# Altium PCB LimeSDR_Mini_1v0_Rounded.PcbDoc (part 3 of 5) (continued)
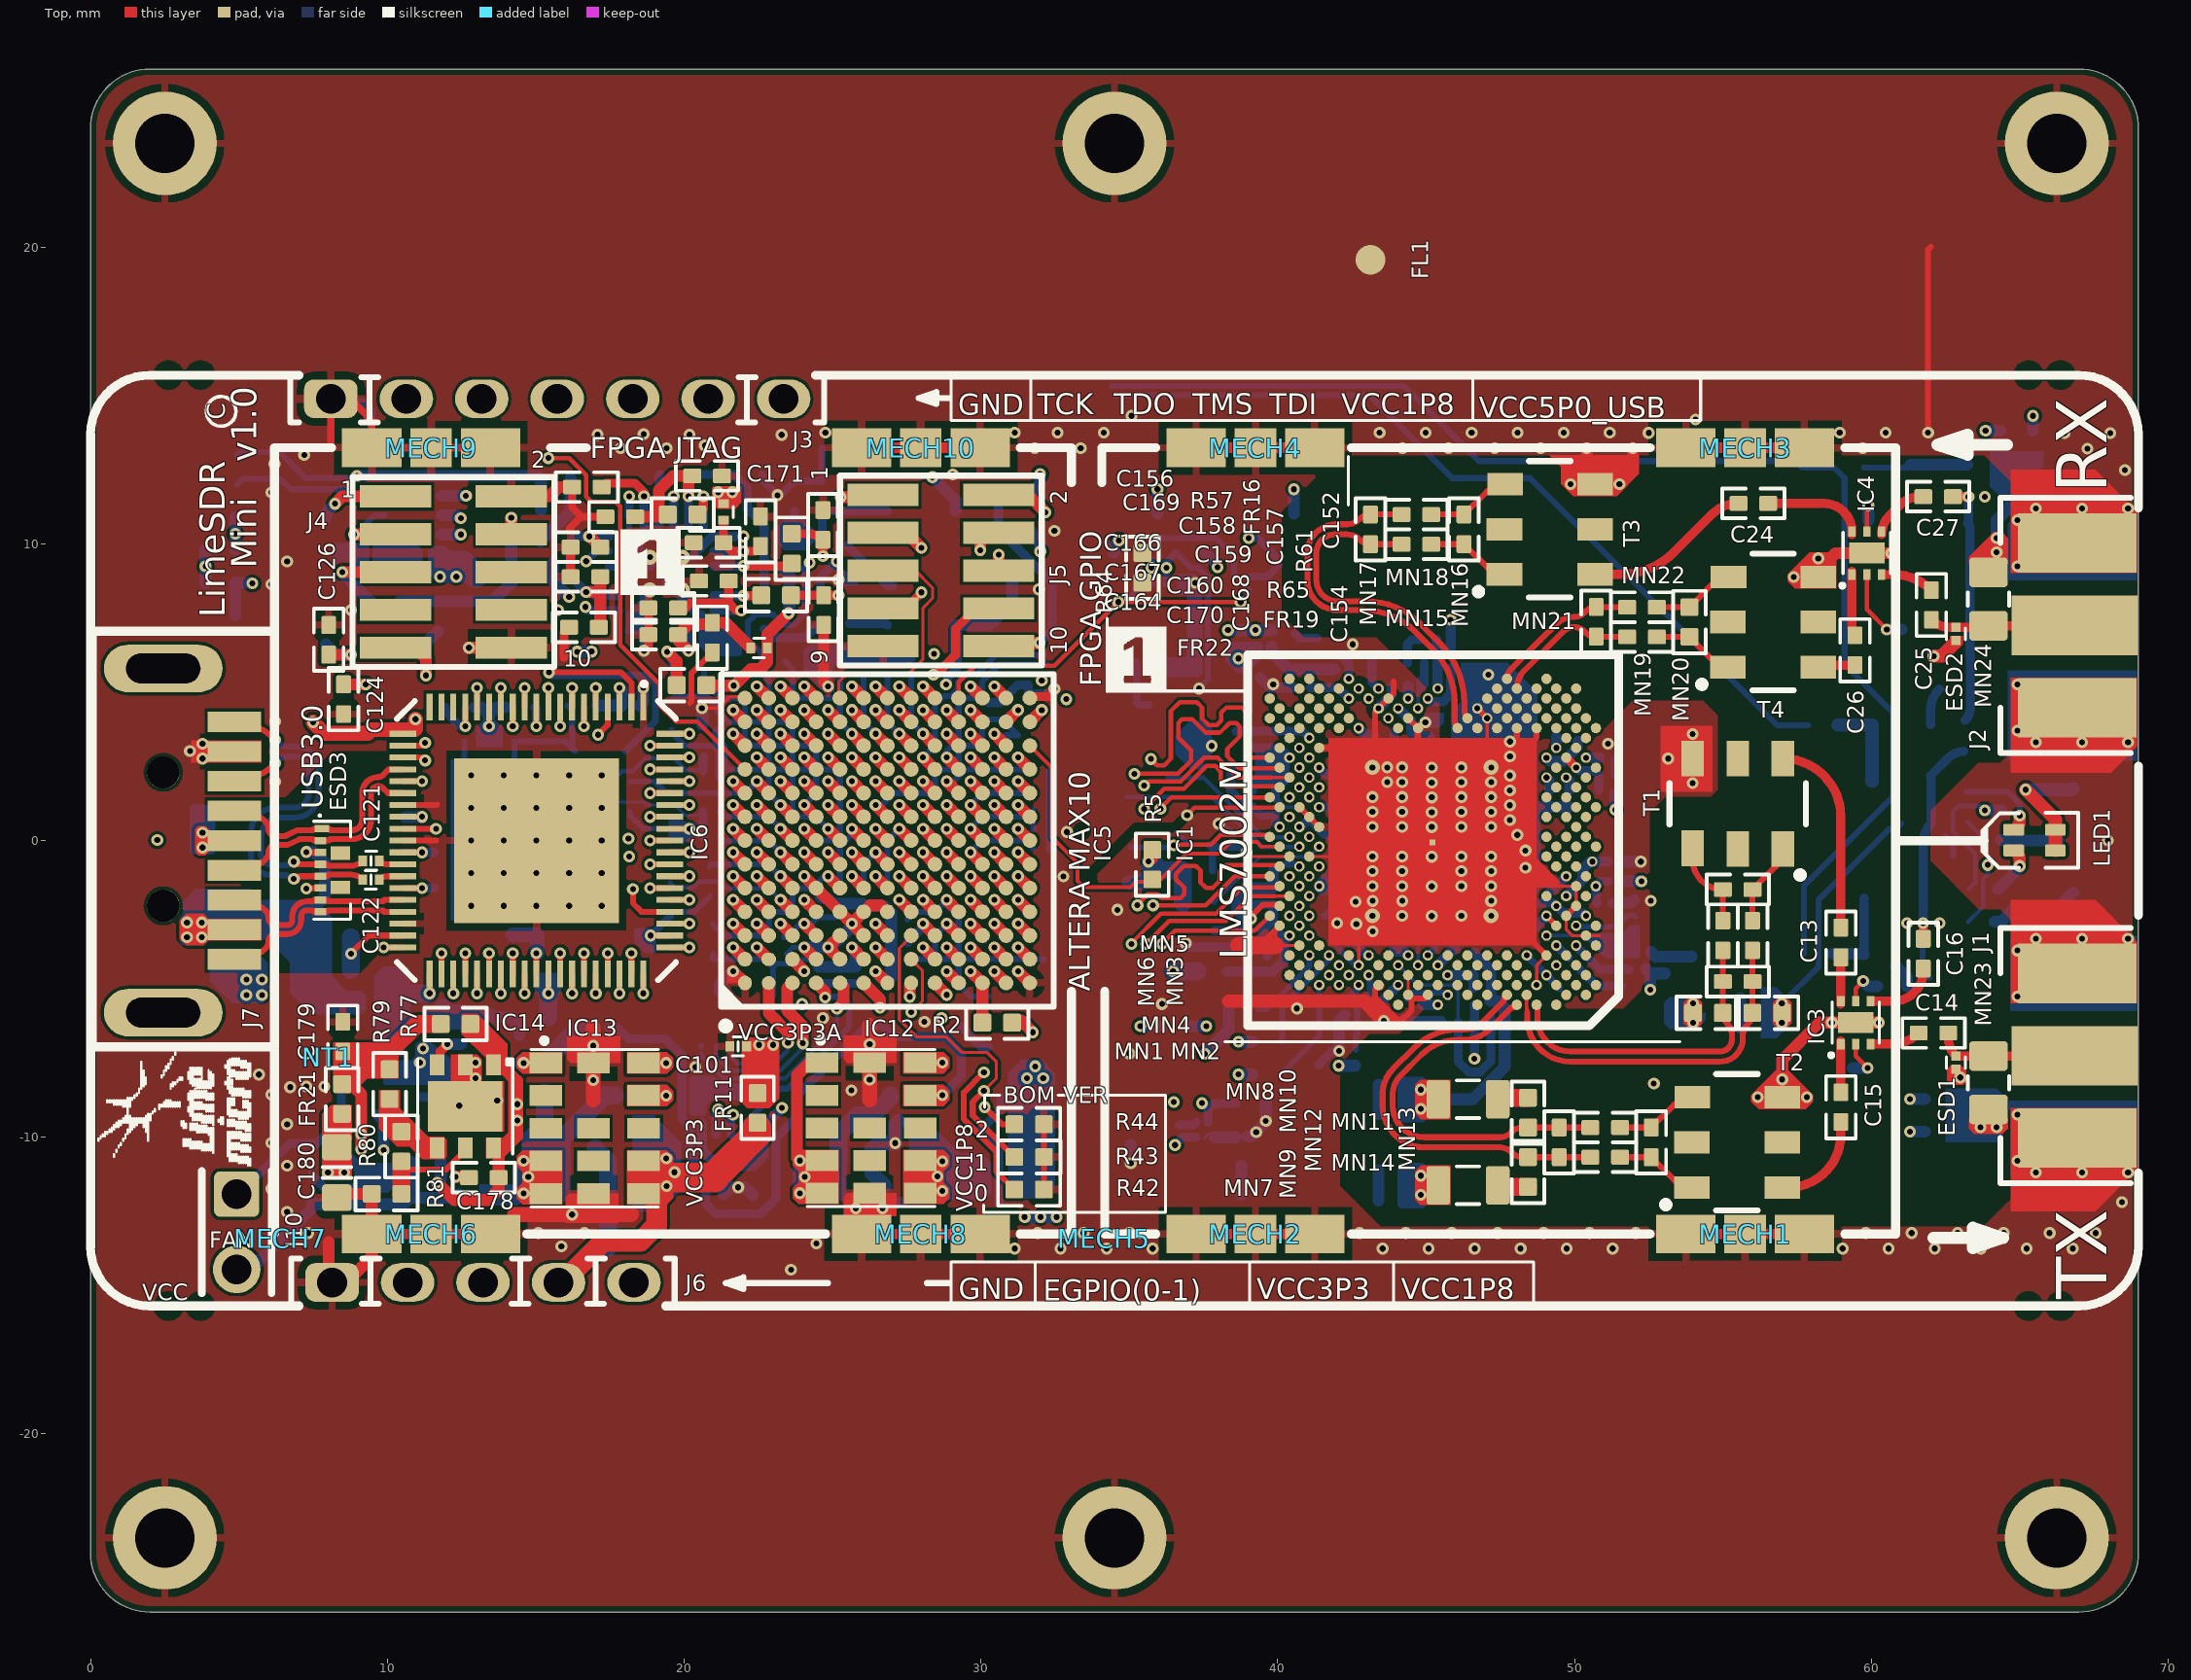
[diagram p0: Top view]
## Nets (pads, with @x,y where several pads share a name; then routed paths per layer and width w, separated by ;. In a path a pad name is that pad's centre, name@x,y a point inside that pad or via, vN(x,y) a via of type N, cw(c..) or ccw(c..) an arc to the next point about the centre after c; other vN are vias at no path point) (continued)
  Bottom w0.3: v1(16.675,7.875) 16.8,7.75 IC7.13@17.475,7.75 IC7.13@17.8,7.75
LMS_CORE_LDO_EN: IC1.U33 IC5.N11 R5.1 | length 12.8
  Top w0.11: 39.451,-0.206 IC1.U33@40.065,-0.206
  Top w0.13: IC5.N11@31.65,3.2 32.393,2.457 32.393,0.122 33.26,-0.745 33.26,-1.361 33.474,-1.575 35.035,-1.575 35.225,-1.385 35.975,-1.385 36.925,-0.435 38.03,-0.435 38.416,-0.049 39.294,-0.049 39.451,-0.206
LMS_DIQ1_D0: IC1.AG31 IC5.M12 | length 16.4
  Top w0.4: IC5.M12@30.85,4 v2(31.25,4.4)
  L6 w0.1: v2(31.25,4.4) 31.035,4.615 30.575,4.615 30.45,4.49 30.45,4.14 31.15,3.44 32.692,3.44 33.492,4.24 34.075,4.24 34.227,4.24 cw(c34.227,3.936) 34.531,3.936 34.531,3.769 ccw(c34.835,3.769) 34.835,3.465 ccw(c34.835,3.769) 35.139,3.769 35.139,3.936 cw(c35.443,3.936) 35.443,4.24 cw(c35.443,3.936) 35.747,3.936 35.747,3.715 ccw(c36.051,3.715) 36.051,3.411 ccw(c36.051,3.715) 36.355,3.715 36.355,3.936 cw(c36.659,3.936) 36.659,4.24 cw(c36.659,3.936) 36.963,3.936 36.963,3.83 ccw(c37.267,3.83) 37.267,3.526 ccw(c37.267,3.83) 37.571,3.83 37.571,3.936 cw(c37.875,3.936) 37.875,4.24 38.075,4.24 38.75,3.565 39.283,3.565 39.858,2.99 40.085,2.99 40.275,3.18 40.675,3.18 v3(40.731,3.124)
LMS_DIQ1_D1: IC1.AF30 IC5.N12 | length 14.1
  Top w0.4: IC5.N12@31.65,4 v2(32.05,4.4)
  L6 w0.1: v2(32.05,4.4) 31.81,4.4 31.55,4.14 31.55,3.84 31.75,3.64 32.609,3.64 33.584,4.615 34.854,4.615 35.013,4.456 35.541,4.456 35.7,4.615 36.075,4.615 36.225,4.465 36.7,4.465 36.85,4.615 37.2,4.615 37.359,4.456 38.141,4.456 38.833,3.765 39.45,3.765 39.835,3.38 40.24,3.38 40.35,3.49 40.35,3.632 40.5,3.782 41.199,3.782 41.522,3.459 41.522,2.912 41.401,2.791 v3(41.064,2.791)
LMS_DIQ1_D2: IC1.AF34 IC5.N10 | length 14.2
  Top w0.15: v1(35.725,2.75) 35.935,2.54 36.175,2.54 36.4,2.765 36.4,4.365 36.7,4.665 37.275,4.665 37.45,4.49 37.45,4.115 37.675,3.89 37.95,3.89 38.1,4.04 38.1,4.315 38.275,4.49 38.775,4.49 38.975,4.29 38.975,2.916 39.1,2.791 IC1.AF34@39.732,2.791
  Top w0.4: v2(31.25,2.8) IC5.N10@31.65,2.4
  L6 w0.1: v2(31.25,2.8) 31.49,3.04 31.925,3.04 32.165,2.8 32.475,2.8 32.715,3.04 33.075,3.04 33.315,2.8 33.65,2.8 33.89,3.04 34.2,3.04 34.44,2.8 34.9,2.8 35.14,3.04 35.435,3.04 v1(35.725,2.75)
LMS_DIQ1_D3: IC1.AE31 IC5.L10 | length 14.7
  Top w0.4: v2(29.65,2.8) IC5.L10@30.05,2.4
  L6 w0.1: v2(29.65,2.8) 29.885,2.8 30.325,3.24 32.775,3.24 33.55,4.015 33.825,4.015 34.075,3.765 34.075,3.415 34.225,3.265 35.825,3.265 36.325,2.765 36.6,2.765 36.725,2.89 36.725,3.19 36.875,3.34 37.15,3.34 37.275,3.215 37.275,2.965 37.475,2.765 38.125,2.765 38.325,2.965 38.325,3.19 38.5,3.365 39.2,3.365 39.425,3.14 39.425,2.658 39.625,2.458 v3(40.731,2.458)
LMS_DIQ1_D4: IC1.AD30 IC5.M10 | length 14.5
  Top w0.4: v2(30.45,2.8) IC5.M10@30.85,2.4
  L6 w0.1: v2(30.45,2.8) 30.45,2.54 30.575,2.415 31.5,2.415 31.685,2.6 32.558,2.6 32.723,2.765 33.067,2.765 33.232,2.6 33.733,2.6 33.873,2.74 34.217,2.74 34.357,2.6 35.34,2.6 35.815,2.125 36.01,2.125 36.4,2.515 36.625,2.515 37.015,2.125 37.235,2.125 37.675,2.565 37.8,2.565 38.24,2.125 38.485,2.125 38.625,2.265 38.625,3.015 38.75,3.14 39.075,3.14 39.225,2.99 39.225,2.315 39.415,2.125 39.625,2.125 39.758,2.258 40.217,2.258 40.35,2.125 v3(41.064,2.125)
LMS_DIQ1_D5: IC1.AC29 IC5.M13 | length 14.8
  Top w0.4: v2(30.45,5.2) IC5.M13@30.85,4.8
  L6 w0.1: v2(30.45,5.2) 30.835,4.815 32.175,4.815 32.625,4.365 33.051,4.365 33.526,4.84 37.258,4.84 37.441,4.656 38.224,4.656 38.899,3.982 41.281,3.982 41.722,3.541 41.722,2.117 v3(41.397,1.792)
LMS_DIQ1_D6: IC1.AE33 IC5.N9 | length 14.2
  Top w0.15: v1(35.175,2.25) 36.635,2.25 37.075,2.69 37.075,3.04 36.65,3.465 36.65,3.965 36.775,4.09 37.121,4.09 37.571,3.64 38.054,3.64 38.379,3.965 38.6,3.965 38.725,3.84 38.725,3.515 38.3,3.09 38.3,2.84 38.699,2.441 40.048,2.441 IC1.AE33@40.065,2.458
  Top w0.4: v2(31.25,2) IC5.N9@31.65,1.6
  L6 w0.1: v2(31.25,2) 31.3,2.05 31.66,2.05 32.01,2.4 32.473,2.4 32.933,1.94 33.242,1.94 33.702,2.4 35.025,2.4 v1(35.175,2.25)
LMS_DIQ1_D7: IC1.AD32 IC5.N8 | length 14.5
  Top w0.11: 39.79,2.125 IC1.AD32@40.398,2.125
  Top w0.15: v1(35.5,1.85) 35.65,2 36.739,2 37.529,2.79 37.975,2.79 38.64,2.125 39.79,2.125
  Top w0.4: v2(31.25,1.2) IC5.N8@31.65,0.8
  L6 w0.1: v2(31.25,1.2) 30.967,1.2 30.607,0.84 30.225,0.84 30.075,0.99 30.075,1.49 30.225,1.64 31.425,1.64 31.635,1.85 31.885,1.85 32.225,2.19 32.4,2.19 32.965,1.625 33.21,1.625 33.775,2.19 34.45,2.19 35.015,1.625 35.275,1.625 v1(35.5,1.85)
LMS_DIQ1_D8: IC1.AC31 IC5.M7 | length 14
  Top w0.4: v2(30.45,0.4) IC5.M7@30.85,0
  L6 w0.1: v2(30.45,0.4) 30.8,0.75 31.735,0.75 31.9,0.915 31.9,1.54 32.25,1.89 32.417,1.89 32.882,1.425 33.293,1.425 33.858,1.99 34.367,1.99 34.475,1.882 34.475,1.615 34.665,1.425 36.035,1.425 36.2,1.59 36.2,1.99 36.45,2.24 36.602,2.24 37.05,1.792 37.185,1.792 37.579,2.186 37.781,2.186 38.175,1.792 38.502,1.792 38.825,2.115 39.142,2.115 39.465,1.792 v3(40.731,1.792)
LMS_DIQ1_D9: IC1.AC33 IC5.N7 | length 14
  Top w0.15: v1(35.5,1.068) 36.182,1.75 36.842,1.75 37.607,2.515 37.896,2.515 38.086,2.326 38.086,2.004 38.256,1.834 40.023,1.834 IC1.AC33@40.065,1.792
  Top w0.4: v2(31.25,0.4) IC5.N7@31.65,0
  L6 w0.1: v2(31.25,0.4) 31.585,0.065 32.3,0.065 32.425,0.19 32.425,0.515 32.1,0.84 32.1,1.39 32.23,1.52 32.505,1.52 32.799,1.225 33.44,1.225 33.75,0.915 33.75,0.44 33.975,0.215 34.142,0.215 34.375,0.448 34.375,1.065 34.535,1.225 35.343,1.225 v1(35.5,1.068)
LMS_DIQ1_D10: IC1.AB30 IC5.M9 | length 14.7
  Top w0.4: v2(30.45,2) IC5.M9@30.85,1.6
  L4 w0.1: v2(30.45,2) 30.815,2.365 32.433,2.365 32.675,2.123 32.675,1.415 32.8,1.29 33.4,1.29 33.55,1.44 33.55,2.323 33.867,2.64 35.325,2.64 36.347,1.618 36.653,1.618 37.4,2.365 37.983,2.365 39.23,1.118 40.723,1.118 v3(41.064,1.459)
LMS_DIQ1_D11: IC1.AB32 IC5.N6 | length 14.4
  Top w0.4: v2(31.25,-0.4) IC5.N6@31.65,-0.8
  L6 w0.1: v2(31.25,-0.4) 31.435,-0.585 31.675,-0.585 31.875,-0.385 32.125,-0.385 32.325,-0.585 32.425,-0.585 32.675,-0.335 32.95,-0.335 33.2,-0.585 33.5,-0.585 33.75,-0.335 34.025,-0.335 34.275,-0.585 34.467,-0.585 34.575,-0.477 34.575,-0.01 34.675,0.09 35.733,0.09 36.383,-0.56 36.95,-0.56 37.175,-0.335 37.175,0.115 37.025,0.265 36.65,0.265 36.475,0.44 36.475,1.465 36.6,1.59 40.267,1.59 v3(40.398,1.459)
LMS_DIQ2_D0: IC1.H30 IC5.M2 | length 15.2
  Top w0.4: v2(30.45,-3.6) IC5.M2@30.85,-4
  L4 w0.1: v2(30.45,-3.6) 30.89,-3.16 31.542,-3.16 31.817,-2.885 32.175,-2.885 33.125,-3.835 33.35,-3.835 33.525,-3.66 33.525,-2.585 33.675,-2.435 33.922,-2.435 34.575,-3.088 34.575,-3.635 34.775,-3.835 38.175,-3.835 38.325,-3.685 38.325,-3.282 38.425,-3.182 39.472,-3.182 39.613,-3.323 39.613,-3.698 39.75,-3.835 40.226,-3.835 40.858,-3.203 v3(41.064,-3.203)
LMS_DIQ2_D1: IC1.J31 IC5.M4 | length 15.3
  Top w0.4: v2(30.45,-2) IC5.M4@30.85,-2.4
  L4 w0.1: v2(30.45,-2) 30.45,-2.235 30.625,-2.41 31.45,-2.41 31.7,-2.16 32.425,-2.16 32.625,-2.36 32.625,-3.052 32.858,-3.285 33.2,-3.285 33.3,-3.185 33.3,-2.11 33.525,-1.885 33.95,-1.885 34.175,-2.11 34.175,-2.405 34.752,-2.982 36.55,-2.982 36.65,-2.982 ccw(c36.65,-2.778) 36.854,-2.778 cw(c37.158,-2.778) 37.158,-2.474 cw(c37.158,-2.778) 37.462,-2.778 37.462,-2.982 37.462,-3.186 ccw(c37.766,-3.186) 37.766,-3.49 ccw(c37.766,-3.186) 38.07,-3.186 cw(c38.274,-3.186) 38.274,-2.982 38.65,-2.982 39.328,-2.982 39.44,-2.87 v3(40.731,-2.87)
LMS_DIQ2_D2: IC1.K30 IC5.M1 | length 15.6
  Top w0.4: v2(30.45,-4.4) IC5.M1@30.85,-4.8
  L4 w0.1: v2(30.45,-4.4) 30.8,-4.05 31.51,-4.05 31.65,-3.91 31.65,-3.335 31.8,-3.185 32.192,-3.185 33.057,-4.05 33.418,-4.05 33.725,-3.743 33.725,-3.235 33.975,-2.985 34.175,-2.985 34.375,-3.185 34.375,-3.718 34.707,-4.05 38.36,-4.05 38.584,-3.826 39.259,-3.826 39.482,-4.05 40.335,-4.05 40.841,-3.544 41.183,-3.544 41.389,-3.338 41.389,-2.862 v3(41.064,-2.537)
LMS_DIQ2_D3: IC1.K32 IC5.J1 | length 14.6
  Top w0.4: IC5.J1@28.45,-4.8 v2(28.85,-5.2)
  L6 w0.1: v2(28.85,-5.2) 28.85,-5.51 29.275,-5.935 29.8,-5.935 29.95,-5.785 29.95,-5.31 30.11,-5.15 38.31,-5.15 38.95,-4.51 38.95,-3.985 v3(40.398,-2.537)
LMS_DIQ2_D4: IC1.L31 IC5.N2 | length 14.4
  Top w0.4: v2(31.25,-3.6) IC5.N2@31.65,-4
  L6 w0.1: v2(31.25,-3.6) 31.26,-3.61 34.447,-3.61 34.925,-3.132 36.278,-3.132 37.339,-2.071 38.561,-2.071 38.75,-2.26 38.75,-2.56 38.575,-2.735 37.775,-2.735 37.625,-2.885 37.625,-3.26 37.825,-3.46 38.775,-3.46 40.031,-2.204 v3(40.731,-2.204)
LMS_DIQ2_D5: IC1.K34 IC5.K1 | length 14.9
  Top w0.15: v1(36.1,-3.482) 36.544,-3.039 39.23,-3.039 IC1.K34@39.732,-2.537
  Top w0.4: v2(28.85,-4.4) IC5.K1@29.25,-4.8
  L6 w0.1: v2(28.85,-4.4) 28.85,-4.61 29.19,-4.95 35.935,-4.95 36.1,-4.785 36.1,-4.635 35.975,-4.51 35.325,-4.51 35.165,-4.35 35.165,-4.175 35.383,-3.957 35.625,-3.957 v1(36.1,-3.482)
LMS_DIQ2_D6: IC1.M30 IC5.L2 | length 14.5
  Top w0.4: v2(29.65,-3.6) IC5.L2@30.05,-4
  L6 w0.1: v2(29.65,-3.6) 30.065,-3.185 31.375,-3.185 31.6,-3.41 34.35,-3.41 34.85,-2.91 36.2,-2.91 36.375,-2.735 36.375,-1.968 36.858,-1.485 37.017,-1.485 37.403,-1.871 37.822,-1.871 38.129,-1.564 38.337,-1.564 39.033,-2.26 39.425,-2.26 39.575,-2.11 39.575,-1.91 39.75,-1.735 40.017,-1.735 40.153,-1.871 v3(41.064,-1.871)
LMS_DIQ2_D7: IC1.M32 IC5.J2 | length 14.7
  Top w0.11: 39.894,-1.871 IC1.M32@40.398,-1.871
  Top w0.15: v1(35.575,-3.482) 35.725,-3.332 35.725,-3.327 36.342,-2.71 38.254,-2.71 39.093,-1.871 39.894,-1.871
  Top w0.4: v2(28.05,-3.6) IC5.J2@28.45,-4
  L6 w0.1: v2(28.05,-3.6) 28.5,-4.05 28.995,-4.05 29.3,-4.355 29.3,-4.545 29.505,-4.75 34.307,-4.75 v1(35.575,-3.482)
LMS_DIQ2_D8: IC1.N31 IC5.N4 | length 14.5
  Top w0.4: v2(31.25,-2) IC5.N4@31.65,-2.4
  L6 w0.1: v2(31.25,-2) 31.46,-2.21 31.75,-2.21 31.875,-2.085 31.875,-1.585 31.975,-1.485 32.192,-1.485 32.367,-1.66 32.367,-2.002 32.575,-2.21 33.692,-2.21 34.225,-1.677 34.225,-1.36 34.4,-1.185 35.298,-1.185 35.986,-1.874 36.186,-1.874 36.85,-1.21 37.025,-1.21 37.486,-1.671 37.739,-1.671 38.2,-1.21 38.525,-1.21 38.75,-1.435 38.75,-1.694 39.041,-1.985 39.17,-1.985 39.475,-1.68 39.475,-1.168 39.658,-0.985 39.895,-0.985 40.023,-1.112 40.023,-1.458 40.236,-1.671 40.598,-1.671 v3(40.731,-1.538)
LMS_DIQ2_D9: IC1.N33 IC5.K2 | length 14.6
  Top w0.15: v1@35.057,-3.47 36.067,-2.46 37.925,-2.46 38.805,-1.58 40.065,-1.58 IC1.N33@40.065,-1.538
  Top w0.4: v2(28.85,-3.6) IC5.K2@29.25,-4
  L6 w0.1: v2(28.85,-3.6) 29.285,-4.035 32.075,-4.035 32.575,-4.535 32.925,-4.535 33.15,-4.31 33.15,-3.985 33.325,-3.81 33.65,-3.81 33.85,-4.01 33.85,-4.375 34.025,-4.55 34.225,-4.55 35.07,-3.705 v1(35.07,-3.482)
LMS_DIQ2_D10: IC1.P30 IC5.L5 | length 14.4
  Top w0.4: v2(29.65,-1.2) IC5.L5@30.05,-1.6
  L6 w0.1: v2(29.65,-1.2) 29.693,-1.2 30.108,-0.785 34.55,-0.785 35.05,-0.285 35.825,-0.285 36.304,-0.764 37.246,-0.764 37.45,-0.56 37.45,-0.235 37.575,-0.11 37.925,-0.11 38.05,-0.235 38.05,-0.535 38.279,-0.764 38.686,-0.764 38.879,-0.956 39.121,-0.956 39.742,-0.335 40.238,-0.335 40.45,-0.547 40.866,-0.547 41.064,-0.745 v3(41.064,-1.205)
LMS_DIQ2_D11: IC1.P32 IC5.L4 | length 14.4
  Top w0.4: v2(29.65,-2) IC5.L4@30.05,-2.4
  L6 w0.1: v2(29.65,-2) 30.04,-1.61 31.425,-1.61 32.05,-0.985 32.25,-0.985 32.4,-1.135 32.4,-1.41 32.567,-1.577 32.567,-1.827 32.75,-2.01 33.609,-2.01 34.025,-1.594 34.025,-1.16 34.2,-0.985 35.4,-0.985 35.95,-1.535 36.15,-1.535 36.7,-0.985 37.083,-0.985 37.508,-1.41 37.717,-1.41 38.138,-0.989 38.629,-0.989 38.896,-1.256 39.104,-1.256 39.575,-0.785 39.978,-0.785 v3(40.398,-1.205)
LMS_ENABLE_IQSEL1: IC1.Y32 IC5.M8 | length 14.9
  Top w0.4: v2(30.45,1.2) IC5.M8@30.85,0.8
  L4 w0.1: v2(30.45,1.2) 30.45,1.515 30.575,1.64 31.475,1.64 31.625,1.79 31.625,2.015 31.775,2.165 32.35,2.165 32.475,2.04 32.475,1.315 32.7,1.09 33.575,1.09 33.75,1.265 33.75,2.24 33.95,2.44 34.425,2.44 34.7,2.165 34.7,1.59 34.872,1.418 35.905,1.418 36.736,1.418 37.483,2.165 37.9,2.165 39.272,0.793 v3(40.398,0.793)
LMS_ENABLE_IQSEL2: IC1.R33 IC5.N3 | length 14.6
  Top w0.15: v1@35.275,-2.16 35.628,-1.807 35.955,-1.807 36.08,-1.932 36.728,-1.932 36.85,-1.81 36.85,-1.585 36.575,-1.31 36.575,-1.124 36.839,-0.86 37.25,-0.86 37.4,-1.01 37.4,-1.41 37.538,-1.548 37.586,-1.596 37.811,-1.596 38.05,-1.356 38.05,-1.035 38.255,-0.83 40.023,-0.83 IC1.R33@40.065,-0.872
  Top w0.4: v2(31.25,-2.8) IC5.N3@31.65,-3.2
  L6 w0.1: v2(31.25,-2.8) 31.44,-2.61 31.725,-2.61 31.912,-2.798 31.912,-3.097 32.025,-3.21 32.475,-3.21 32.575,-3.11 32.575,-2.76 32.725,-2.61 33.05,-2.61 33.225,-2.785 33.225,-3.085 33.35,-3.21 33.7,-3.21 33.787,-3.123 33.787,-2.798 33.975,-2.61 34.225,-2.61 34.459,-2.844 34.614,-2.844 34.747,-2.71 35.375,-2.71 35.516,-2.569 35.516,-2.424 v1(35.275,-2.182)
LMS_FCLK1: IC1.AA33 IC5.L3 | length 13.5
  Top w0.15: v1@36.943,0.857 37.194,1.109 40.065,1.109 IC1.AA33@40.065,1.126
  Top w0.4: v2(29.65,-2.8) IC5.L3@30.05,-3.2
  L5 w0.15: v2(29.65,-2.8) 30.05,-2.4 30.05,-0.925 30.15,-0.825 34.7,-0.825 35.85,0.325 36.425,0.325 v1(36.95,0.85)
LMS_FCLK2: IC1.R29 IC5.M3 | length 15.3
  Top w0.4: v2(30.45,-2.8) IC5.M3@30.85,-3.2
  L4 w0.1: v2(30.45,-2.8) 30.025,-2.375 30.025,-1.86 30.275,-1.61 31.575,-1.61 31.9,-1.935 33.192,-1.935 33.442,-1.685 36.025,-1.685 36.5,-2.16 36.725,-2.16 37.35,-1.535 37.775,-1.535 38.375,-2.135 39,-2.135 39.675,-1.46 39.675,-0.81 39.938,-0.547 41.072,-0.547 v3(41.397,-0.872)
LMS_I2C_SCL: IC1.C27 IC2.A2 IC5.M5 R13.2 | length 20.7
  Top w0.4: v2(30.45,-1.2) IC5.M5@30.85,-1.6
  L4 w0.1: v1(37.447,-8.85) 38.202,-8.85 42.063,-4.989 v3(42.063,-4.868)
  L5 w0.2: v2(30.45,-1.2) 30.85,-1.6 30.85,-2.166 31.084,-2.4 31.6,-2.4 33.6,-4.4 33.6,-5.2 35.55,-7.15 35.85,-7.45 35.85,-9 36.2,-9.35 36.985,-9.35 v1@37.475,-8.86
  Bottom w0.3: IC2.A2@37.649,-9.496 37.649,-9.052 37.841,-8.86 R13.2@38.6,-8.86
LMS_I2C_SDA: IC1.D26 IC2.B1 IC5.N5 R12.2 | length 21.1
  Top w0.4: v2(31.25,-1.2) IC5.N5@31.65,-1.6
  L4 w0.1: v1(36.5,-8.81) 36.541,-8.851 v1(36.541,-10.26) 37.131,-10.26 42.396,-4.995 v3(42.396,-4.535)
  L5 w0.2: v2@31.264,-1.2 34.675,-4.611 34.675,-4.85 36.5,-6.675 v1(36.5,-8.81)
  Bottom w0.2: v2(31.25,-1.2) v2@31.264,-1.2
  Bottom w0.3: v1(36.541,-10.26) 36.805,-9.996 IC2.B1@37.249,-9.996
LMS_MCLK1: IC1.AB34 IC5.G5 | length 15.4
  Top w0.15: v1@36.025,1.068 36.038,1.08 36.416,1.459 IC1.AB34@39.732,1.459
  Top w0.4: v2(26.45,-1.2) IC5.G5@26.85,-1.6
  L6 w0.1: v2(26.45,-1.2) 26.9,-0.75 29.86,-0.75 30.075,-0.535 30.075,-0.125 30.25,0.05 31.317,0.05 31.502,-0.135 34.075,-0.135 34.5,0.29 35.272,0.29 v1(36.05,1.068)
LMS_MCLK2: IC1.P34 IC5.H4 | length 14.6
  Top w0.15: v1(35.8,-2.182) 37.578,-2.182 38.555,-1.205 IC1.P34@39.732,-1.205
  Top w0.4: v2(27.25,-2) IC5.H4@27.65,-2.4
  L6 w0.1: v2(27.25,-2) 27.66,-2.41 33.775,-2.41 34.425,-1.76 34.425,-1.56 34.575,-1.41 35.24,-1.41 35.8,-1.97 v1(35.8,-2.182)
LMS_RESET: IC1.E27 IC5.L1 R2.1 | length 14.6
  Top w0.4: v2(29.65,-4.4) IC5.L1@30.05,-4.8 R2.1@30.05,-6.035
  L4 w0.1: v2(29.65,-4.4) 30.01,-4.76 40.325,-4.76 40.75,-4.335 41.425,-4.335 41.55,-4.21 42.055,-4.21 v3(42.063,-4.202)
LMS_RXEN: IC1.V34 IC5.M11 R4.2 | length 15.5
  Top w0.15: v1@36.5,-0.132 37.753,-0.132 38.076,0.191 39.732,0.191 IC1.V34@39.732,0.127
  Top w0.4: v2(30.45,3.6) IC5.M11@30.85,3.2
  L4 w0.1: v2(30.45,3.6) 30.8,3.25 30.8,2.655 30.595,2.45 30.405,2.45 30.075,2.12 30.075,1.08 30.365,0.79 31.358,0.79 32.305,-0.157 v1(36.5,-0.157)
  Bottom w0.2: R4.2@35.053,-0.232 36.425,-0.232 v1(36.5,-0.157)
LMS_TXEN: IC1.U29 IC5.K6 R3.2 | length 19.2
  Top w0.4: v2(28.85,-0.4) IC5.K6@29.25,-0.8
  L5 w0.1: v2(28.85,-0.4) 29.2,-0.05 31.84,-0.05 32.025,-0.235 33.665,-0.235 34.45,0.55 36.155,0.55 36.88,1.275 38.225,1.275 40.047,-0.547 41.056,-0.547 v3(41.397,-0.206)
  Bottom w0.11: R3.2@37.8,-2.11 37.85,-2.11 39.418,-0.542 41.061,-0.542 v3(41.397,-0.206)
LMS_TXNRX1: IC1.V32 IC5.J8 R1.1 | length 19.1
  Top w0.4: v2(28.05,1.2) IC5.J8@28.45,0.8
  L4 w0.1: v2(28.05,1.2) 28.45,0.8 28.45,0.265 28.75,-0.035 31.55,-0.035 31.872,-0.357 36.197,-0.357 36.347,-0.507 38.228,-0.507 38.862,0.127 v3(40.398,0.127)
  Bottom w0.15: R1.1@36.3,2.14 36.325,2.115 37.504,2.115 39.509,0.11 40.381,0.11 v3(40.398,0.127)
LMS_TXNRX2: IC1.U31 IC5.H5 R10.1 | length 21.2
  Top w0.4: v2(27.25,-1.2) IC5.H5@27.65,-1.6
  L4 w0.1: v2(27.25,-1.2) 27.533,-1.2 27.883,-0.85 35.14,-0.85 35.375,-1.085 38.8,-1.085 39.679,-0.206 v3(40.731,-0.206)
  Bottom w0.15: R10.1@34.9,1.475 37.79,1.475 39.488,-0.223 40.714,-0.223 v3(40.731,-0.206)
NetC1_1: C1.1 IC1.C29 R6.1 | length 3.4
  Bottom w0.2: R6.1@40.251,-7.814 40.251,-7.739 41.397,-6.593 v3(41.397,-4.868)
NetC11_2: C11.2 C12.1 MN23.2 R14.2 R15.2
  other v1: 63.675,-9.66 64.225,-9.66
NetC13_1: C13.1 IC3.6 | length 1.6
  Top w0.309: IC3.6@58.975,-5.51 C13.1@58.975,-3.935
NetC14_1: C14.1 IC3.3 | length 1.7
  Top w0.309: IC3.3@60.025,-6.86 60.695,-6.86 ccw(c60.695,-5.58) C14.1@61.6,-6.485
NetC15_1: C15.1 IC3.1 | length 1.7
  Top w0.309: C15.1@58.975,-8.485 IC3.1@58.975,-6.76
NetC16_1: C16.1 IC3.4 | length 2.3
  Top w0.309: IC3.4@60.025,-5.41 60.75,-5.41 ccw(c60.75,-4.41) C16.1@61.75,-4.41
NetC16_2: C16.2 R18.1 R19.1 R23.2 VT1.1 VT3.2 | length 7
  Top w0.309: C16.2@61.75,-3.31 v1(61.75,-2.785)
  Bottom w0.309: v1(61.75,-2.785) 61.75,-0.056 cw(c62.646,-0.056) R19.1@62.012,0.577 62.012,2.16 ccw(c61.97,2.16) VT1.1@62,2.19 62.6,2.79 cw(c63.112,2.278) R18.1@63.112,3.002
NetC21_2: C21.2 C22.1 MN24.2 R20.2 R21.2 | length 3.1
  Bottom w0.4: C22.1@64.225,8.865 64.225,10.802 64.7,11.277 C21.2@64.7,11.765
  other v1: 64.225,9.715 64.225,10.19
NetC24_1: C24.1 IC4.6 | length 3.5
  Top w0.309: C24.1@56.525,11.365 58.45,11.365 ; 58.4,11.365 cw(c58.4,10.415) IC4.6@59.35,10.415 IC4.6@59.35,10.315
NetC25_1: C25.1 IC4.3 | length 1.7
  Top w0.309: IC4.3@60.425,8.965 60.758,8.965 cw(c60.758,7.173) C25.1@62.025,8.44
NetC26_1: C26.1 IC4.1 | length 2.2
  Top w0.309: IC4.1@59.35,9.065 IC4.1@59.35,8.965 59.35,7.156 ccw(c59.691,7.156) C26.1@59.45,6.915
NetC27_1: C27.1 IC4.4 | length 2.1
  Top w0.309: IC4.4@60.35,10.415 60.35,10.315 cw(c61.255,10.315) 60.615,10.955 60.975,11.315 cw(c61.639,10.651) 61.639,11.59 C27.1@61.7,11.59
NetC27_2: C27.2 R16.1 R18.2 R24.2 VT2.2 | length 8.2
  Top w0.309: C27.2@62.75,11.59 v1(63.275,11.59)
  Bottom w0.309: R18.2@63.162,4.052 ccw(c62.74,4.475) 63.337,4.475 R24.2@63.337,6.252 ; VT2.2@63.25,10.69 cw(c63.069,10.509) VT2.2@63.275,10.661 ; v1(63.275,11.59) VT2.2@63.275,10.661 ; R24.2@63.325,6.215 63.325,10.509 ccw(c63.069,10.509) VT2.2@63.275,10.661
NetC30_1: C30.1 IC1.D24 R26.1 | length 2.7
  Bottom w0.22: R26.1@42.631,-7.054 C30.1@42.631,-6.539 ; C30.1@42.681,-6.539 42.681,-5.559 43.114,-5.126 43.114,-4.587 v3(43.062,-4.535)
NetC31_1: C31.1 C32.1 IC1.W31 R31.2 | length 2.6
  Bottom w0.2: R31.2@42.001,-0.164 42.076,-0.089 C32.1@42.696,-0.089
  Bottom w0.25: C31.1@41.099,0.763 41.099,0.658 41.575,0.181 41.681,0.181 42.001,-0.139 R31.2@42.001,-0.164
  Bottom w0.3: v3(40.731,0.46) 40.796,0.46 C31.1@41.099,0.763
NetC33_1: C33.1 C34.1 IC1.H32 R30.2 | length 3.2
  Bottom w0.35: R30.2@38.301,-4.414 39.835,-4.414 40.206,-4.043 40.206,-3.395 40.357,-3.244 C34.1@40.05,-3.244
  other v6: 40.398,-3.203
NetC35_1: C35.1 C36.1 IC1.T32 R29.2 | length 3.7
  Top w0.11: v1(38.951,-0.414) 39.073,-0.536 IC1.T32@40.395,-0.536
  Bottom w0.25: C36.1@37.696,-0.159 C36.1@37.747,-0.21 ; R29.2@37.801,-1.014 37.801,-0.264 C36.1@37.747,-0.21 ; v1(38.951,-0.414) 38.747,-0.21 C35.1@38.325,-0.21 C36.1@37.747,-0.21
NetC37_1: C37.1 C38.1 IC1.W33 R28.2 | length 3.2
  Bottom w0.3: R28.2@38.422,2.59 38.422,1.656 38.938,1.14 39.142,1.14 C38.1@39.146,1.136 39.426,0.856 C37.1@39.926,0.856 39.926,0.599 v3(40.065,0.46)
NetC39_1: C39.1 C40.1 IC1.AH30 R27.2 | length 2.6
  Bottom w0.3: R27.2@38.601,3.686 40.835,3.686 v3(41.064,3.457)
NetC41_1: C41.1 FR1.1 IC1.G3 | length 2.1
  Bottom w0.3: v3(50.055,-3.536) 50.055,-3.551 50.837,-4.334 FR1.1@51.851,-4.334
NetC42_1: C42.1 FR8.1 IC1.E21 | length 7.6
  Bottom w0.11: v3(44.061,-4.202) 44.73,-4.871 45.863,-4.871 46.08,-5.088 C42.1@46.08,-6.11
  Bottom w0.3: C42.1@46.08,-6.11 46.08,-7.441 46.444,-7.805 46.816,-7.805 47.175,-7.446 FR8.1@47.175,-5.965
NetC43_1: C43.1 FR7.1 IC1.D16 | length 1.3
  Bottom w0.35: v3(45.725,-4.532) 46.603,-4.532 C43.1@46.603,-4.953
NetC44_1: C44.1 FR6.1 IC1.E17 | length 1.2
  Bottom w0.35: v3(45.393,-4.202) 45.995,-3.6 C44.1@45.995,-3.285
NetC45_1: C45.1 FR5.1 IC1.AK22 | length 6.8
  L3 w0.35: v1(38.675,6.14) 39.65,6.14 42.5,3.29 43.225,3.29 43.728,3.793 v3(43.728,4.123)
NetC46_1: C46.1 FR4.1 IC1.AM18 | length 1.8
  Bottom w0.31: v3(45.06,4.789) 45.163,4.686 45.576,4.686 45.826,4.936 FR4.1@45.826,5.831
NetC47_1: C47.1 FR3.2 IC1.AE3 IC1.AF4 | length 1.9
  Top w0.3: IC1.AF4@49.722,2.791 v3(50.055,2.458)
  Bottom w0.3: v3(50.055,2.458) 50.148,2.365 50.67,2.365 C47.1@50.82,2.215 FR3.2@50.82,1.69
NetC48_1: C48.1 FR2.2 IC1.N1 | length 1.1
  Bottom w0.3: C48.1@50.771,-2.114 50.721,-2.064 v3(50.721,-1.538) 50.883,-1.376 FR2.2@51.144,-1.376
NetC49_1: C49.1 FR10.1 IC1.AM26 | length 1.4
  Bottom w0.3: C49.1@41.101,5.156 FR10.1@41.876,5.156 42.029,5.156 v3(42.396,4.789)
NetC50_1: C50.1 FR9.2 IC1.H6 | length 3.7
  Bottom w0.11: v3(49.056,-3.203) 50.346,-3.203
  Bottom w0.2: 50.346,-3.207 C50.1@52.017,-3.207 ; FR9.2@52.017,-3.757 52.021,-3.753 C50.1@52.021,-3.039
NetC51_1: C51.1 FR10.2 R33.2 | length 2.5
  Bottom w0.4: R33.2@39.801,6.531 39.801,6.336 40.371,5.766 FR10.2@41.901,5.766
NetC52_1: C52.1 FR9.1 R32.1 | length 1.4
  Bottom w0.4: FR9.1@52.585,-3.757 52.738,-3.911 R32.1@53.054,-3.911 ; R32.1@53.129,-3.911 53.937,-3.911 C52.1@53.944,-3.903
NetC53_1: C53.1 C54.1 C64.1 C65.1 IC1.AA29 IC1.AE29 | length 4.4
  L4 w0.35: v3(41.397,1.126) 41.847,1.576 41.847,1.978 41.397,2.428 v3(41.397,2.458)
  Bottom w0.3: v3(41.397,1.126) 42.666,1.126 C65.1@42.676,1.116 ; v3(41.397,2.458) 41.639,2.216 C54.1@42.676,2.216
NetC55_1: C55.1 IC1.A17 | length 0.5
  Bottom w0.35: C55.1@44.879,-5.534 v3(45.393,-5.534)
NetC56_1: C56.1 IC1.F24 | length 0.8
  Bottom w0.3: C56.1@42.456,-3.414 42.542,-3.414 42.997,-3.869 v3(43.062,-3.869)
NetC57_1: C57.1 IC1.C25 | length 0.6
  Bottom w0.25: C57.1@42.351,-5.334 42.729,-4.956 v3(42.729,-4.868)
NetC58_2: C58.2 IC1.M4 | length 2.1
  Bottom w0.35: v3(49.722,-1.871) 50.275,-1.318 50.275,-0.96 50.525,-0.71 C58.2@51.125,-0.71
  other v3: 50.6,-0.71
NetC59_1: C59.1 IC1.AL21 | length 1.7
  Bottom w0.35: v3(44.061,4.456) 44.501,4.016 44.501,3.664 44.672,3.493 C59.1@45.125,3.493
NetC60_1: C60.1 C61.1 C62.1 C63.1 IC1.L33 IC1.R31 | length 6.8
  Top w0.2: v1(39.1,-2.632) 39.1,-2.557 39.495,-2.162 40.065,-2.162 IC1.L33@40.065,-2.204
  Bottom w0.22: 39.851,-1.039 40.08,-0.81 40.669,-0.81 v3(40.731,-0.872)
  Bottom w0.3: C60.1@37.875,-3.032 C60.1@37.875,-3.032 C61.1@38.926,-3.034 38.926,-2.806 v1(39.1,-2.632)
  Bottom w0.37: v1(39.1,-2.632) 38.887,-2.632 38.625,-2.37 38.625,-1.86 38.894,-1.591 C63.1@39.851,-1.591 39.851,-1.039
NetC66_1: C66.1 IC1.P4 | length 0.7
  Bottom w0.35: C66.1@49.2,-1.66 49.267,-1.66 v3(49.722,-1.205)
NetC67_1: C67.1 IC1.D6 IC1.F8 | length 1.6
  Bottom w0.25: v3(48.39,-3.869) v3(49.056,-4.535) 49.474,-4.953 C67.1@49.474,-4.985
NetC68_1: C68.1 IC1.B16 | length 1.6
  Bottom w0.2: C68.1@44.35,-5.33 44.554,-5.126 45.651,-5.126 v3(45.726,-5.201) v3@45.768,-5.243
NetC69_1: C69.1 IC1.E19 | length 0.8
  Bottom w0.11: v3(44.727,-4.202) C69.1@44.727,-3.389
NetC70_2: C70.2 IC1.F20 | length 0.5
  Bottom w0.35: C70.2@43.9,-3.735 44.26,-3.735 v3(44.394,-3.869)
NetC71_1: C71.1 IC1.AJ25 | length 0.6
  Bottom w0.35: v3@42.722,3.79 v3(42.729,3.79) 42.958,3.561 C71.1@43.233,3.561
NetC72_1: C72.1 IC1.AP26 | length 1.7
  Bottom w0.3: C72.1@41.326,6.256 42.101,6.256 42.396,5.961 v3(42.396,5.455)
NetC73_1: C73.1 IC1.AN23 | length 1
  Bottom w0.3: C73.1@43.176,6.056 43.176,5.341 v3(43.395,5.122)
NetC74_1: C74.1 IC1.AM20 | length 0.4
  Bottom w0.35: v3(44.394,4.789) 44.394,5.216 C74.1@44.396,5.218
NetC75_1: C75.1 IC1.AL19 | length 1.2
  Bottom w0.11: v3(44.727,4.456) 44.726,5.061
  Bottom w0.3: 44.871,5.406 44.931,5.466 C75.1@44.931,5.986
NetC76_1: C76.1 IC1.AG5 | length 0.4
  Bottom w0.35: v3(49.389,3.124) C76.1@49.389,3.51
NetC77_2: C77.2 IC1.AD6 | length 0.5
  Bottom w0.35: v3(49.056,2.125) 49.15,2.031 C77.2@49.15,1.695
NetC78_1: C78.1 IC1.J3 | length 2.2
  Bottom w0.19: v3(50.055,-2.87) 50.092,-2.907 51.403,-2.907 51.796,-2.514 52.006,-2.514 C78.1@52.05,-2.557
NetC79_2: C79.2 IC1.J5 IC1.K6 | length 1.3
  Top w0.2: v3(49.056,-2.537) IC1.J5@49.389,-2.87
  Bottom w0.35: C79.2@48.475,-3.085 48.508,-3.085 v3(49.056,-2.537)
NetC80_1: C80.1 IC1.G5 | length 0.6
  Bottom w0.2: C80.1@49.769,-3.95 C80.1@49.803,-3.95
  Bottom w0.3: v3(49.389,-3.536) C80.1@49.803,-3.95